# KiCad board AMC_FMC_Carrier-PcbDoc.kicad_pcb (continued)
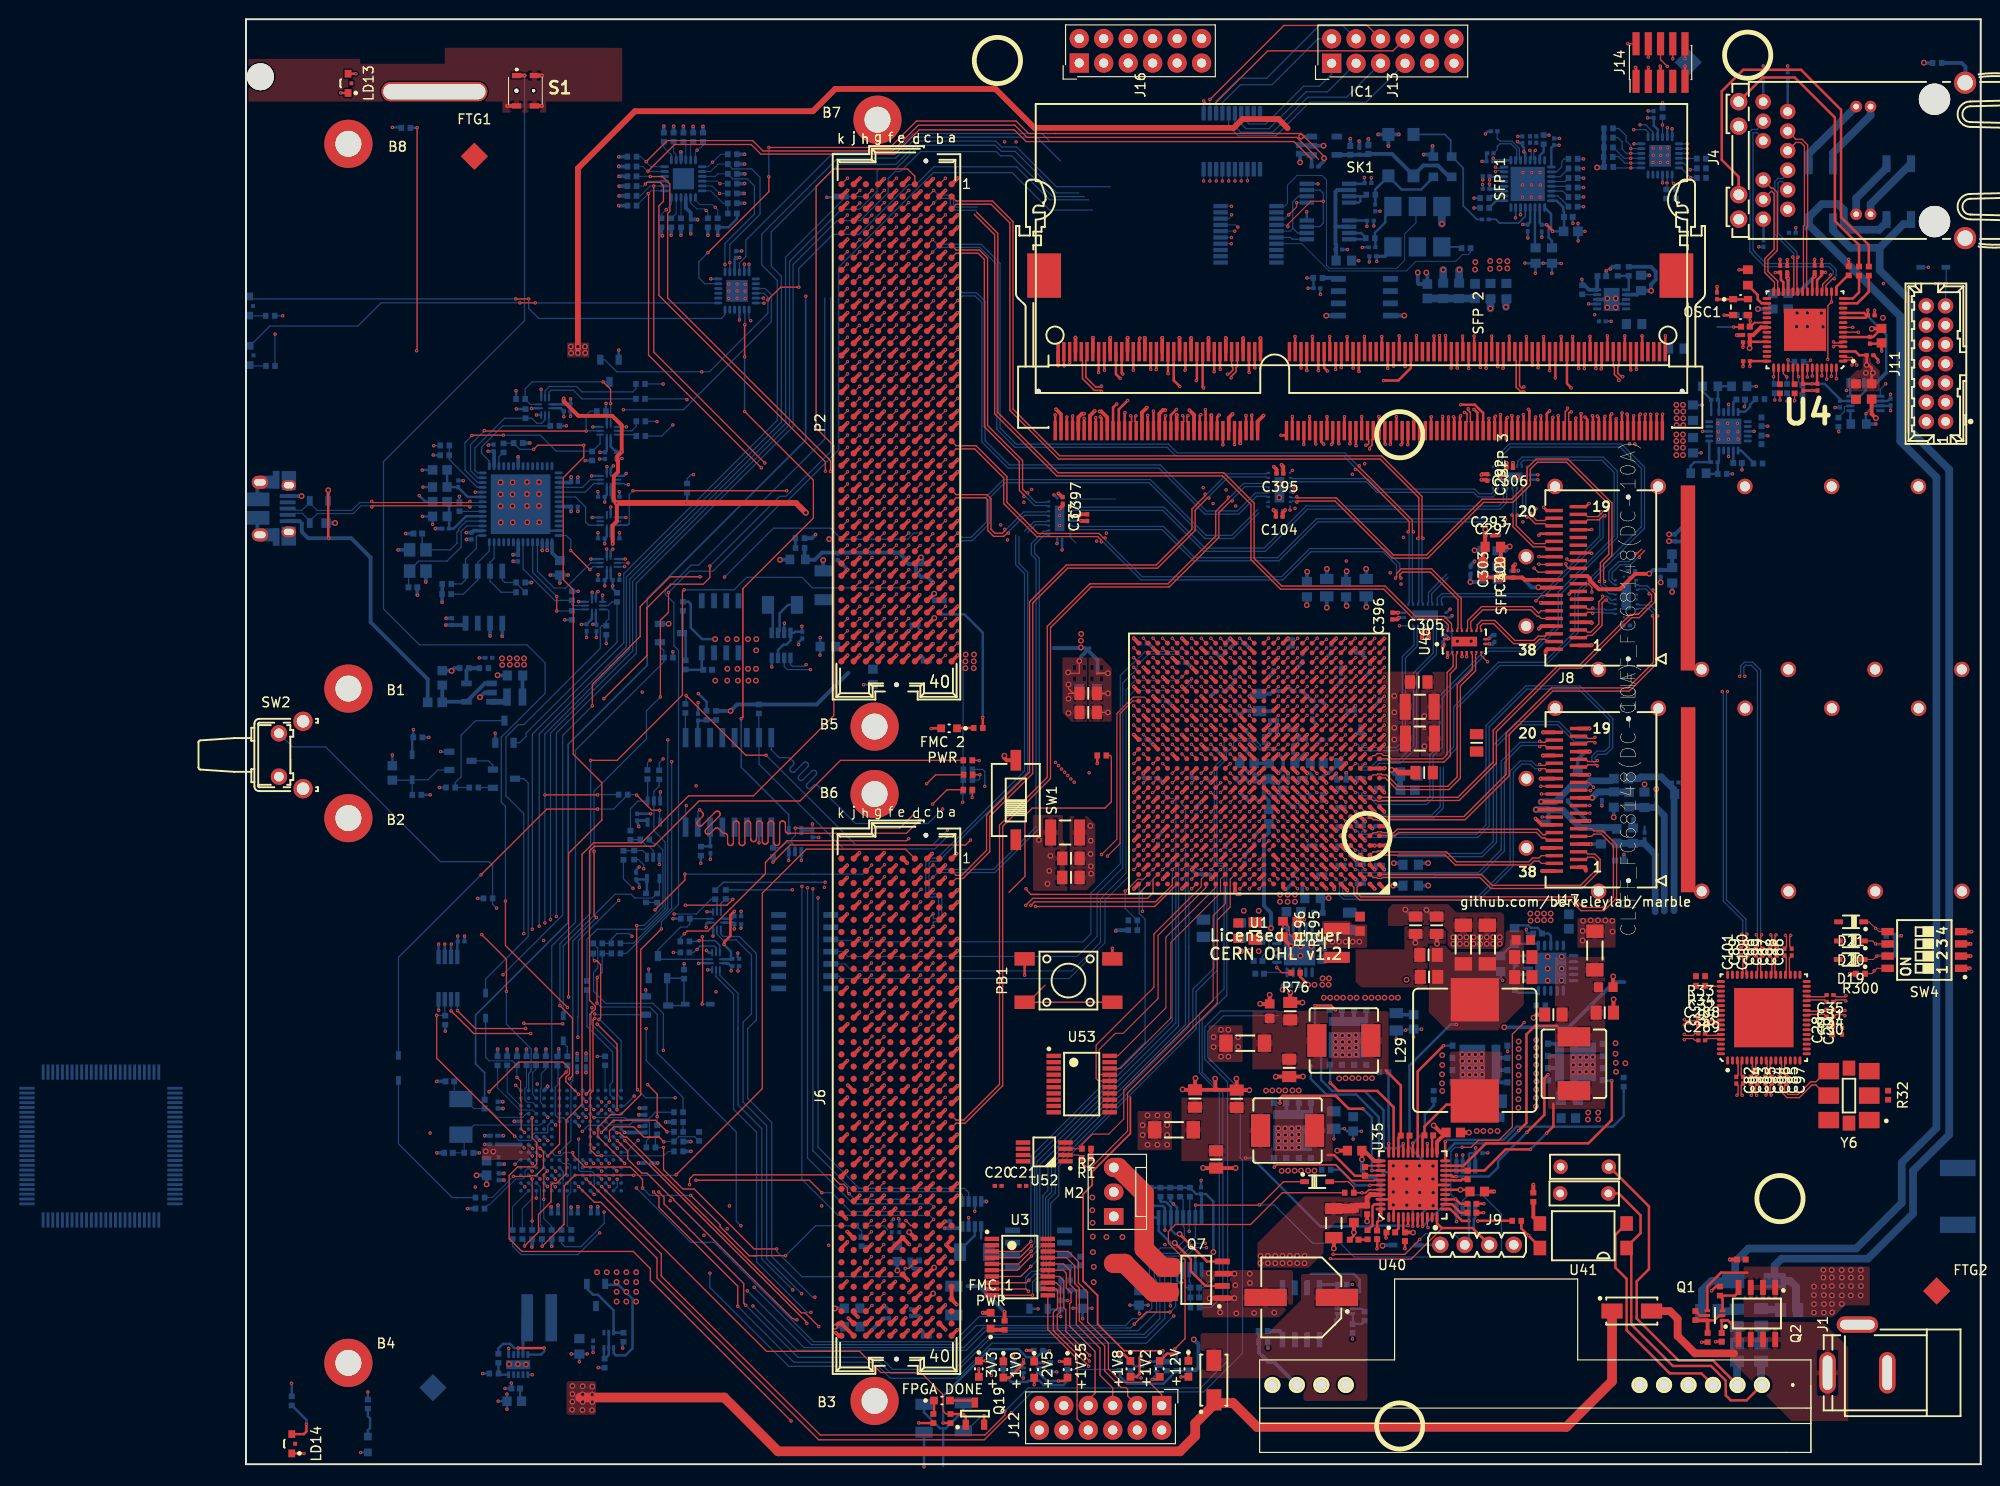
[diagram p0: board, top side]
## Routing (per net, layer and track width the routed paths; a pad name or vN(x,y) marks a point on that pad's centre or on a via; arc(x,y) is an arc through that point) (continued)
/USB/USB_D_N: length 21.9
  Top w0.112: v1(13.05,99.38) 13.17,99.49 23.12,99.49 v1(23.24,99.38)
  Bottom w0.112: J10.2 4.95,98.55 5.11,98.71 5.82,98.71 6.62,97.92 D13.2 6.62,97.9 7.4,98.68 11.11,98.68 11.93,99.49 12.93,99.49 v1(13.05,99.38) ; v1(23.24,99.38) 23.36,99.49 24.46,99.49 U23.7
/USB/USB_D_P: length 22.6
  Top w0.112: v1(23.24,99.95) 23.12,99.83 13.17,99.83 v1(13.05,99.95)
  Bottom w0.112: J10.3 4.95,99.2 5.11,99.04 5.83,99.04 6.62,99.83 D13.3 6.62,99.77 7.38,99.01 10.98,99.01 11.79,99.83 12.93,99.83 v1(13.05,99.95) ; U23.8 24.46,99.83 23.36,99.83 v1(23.24,99.95)
  Bottom w0.127: v1(19.48,105.73) 20.13,105.73 R112.1
/USB_TCK: length 2
  Bottom w0.127: R230.1 40.35,106.88 U26.5
/USB_TDI_DO: length 2.7
  Bottom w0.127: R231.1 40.5,107.74 40.04,107.28 U26.4
/USB_TDO_DI: length 11.2
  Bottom w0.127: R233.1 40.46,111.64 40.14,111.32 34.86,111.32 34.3,111.88 31.47,111.88 31.04,111.45 U33.4
/USB_TMS: length 10
  Bottom w0.127: U33.5 31.44,111.27 31.65,111.48 33.98,111.48 34.87,110.59 R232.1
/WhiteRabbit/WR_DAC_OUT1: length 10
  Bottom w0.254: C109.1 117.19,130.8 R93.1 117.19,132.36 117.61,132.79 117.63,132.79 ; 118.23,133.44 Y2.1 ; Y2.1 118.54,133.7 117.63,132.79 ; Y2.1 118.54,133.7 119.91,132.33 121.93,132.33 123.06,133.45 123.11,133.45 ; 117.4,132.56 117.63,132.79
/WhiteRabbit/WR_DAC_OUT2: length 5.9
  Bottom w0.254: C108.1 117.19,127.21 R92.1 117.13,127.84 118.21,128.92 118.21,129.51 119,130.3 Y3.1 118.37,129.94
DDR_REF_CLK_N: length 1
  Bottom w0.127: U20.31 130.42,134.28 129.76,134.28 v1(129.64,134.17)
DDR_REF_CLK_P: length 1
  Bottom w0.127: v1(129.64,134.65) 129.76,134.54 130.42,134.54 U20.32
FMC1_DP0_C2M_N: length 45.6
  Top w0.13: J6.C3 v1(71.29,60.95)
  Bottom w0.13: U44.12 83.15,96.44 83.07,96.52 82.89,96.52 81.82,95.45 81.82,94.55 82.31,94.06 82.31,66.01 77.71,61.42 71.76,61.42 v1(71.29,60.95)
FMC1_DP0_C2M_P: length 45.6
  Top w0.13: J6.C2 v1(71.29,62.22)
  Bottom w0.13: v1(71.29,62.22) 71.76,61.75 77.58,61.75 81.98,66.15 81.98,93.93 81.49,94.41 81.49,95.59 82.76,96.85 83.07,96.85 83.15,96.94 U44.13
FMC1_DP0_M2C_N: length 50.6
  Top w0.112: J6.C7 70.72,55.25
  Top w0.13: 70.72,55.25 v1(71.3,55.83)
  Bottom w0.13: 81.11,96.72 81.91,97.52 83.07,97.52 83.15,97.44 U44.14 ; 80.2,96.3 80.2,93.51 81.11,92.59 81.11,71.83 71.87,62.59 71.08,62.59 70.88,62.38 70.88,59.44 71.11,59.21 71.87,59.21 72.2,58.89 72.2,56.72 71.8,56.32 71.38,56.32 71.3,56.23 v1(71.3,55.83)
FMC1_DP0_M2C_P: length 50.6
  Top w0.112: J6.C6 70.69,56.52
  Top w0.13: 70.69,56.52 v1(71.3,57.13)
  Bottom w0.13: U44.15 83.15,97.94 83.07,97.85 81.78,97.85 80.78,96.86 ; v1(71.3,57.13) 71.3,56.73 71.38,56.65 71.66,56.65 71.87,56.85 71.87,58.75 71.73,58.88 70.97,58.88 70.55,59.31 70.55,62.52 70.95,62.92 71.73,62.92 80.78,71.97 80.78,92.45 79.87,93.37 79.87,96.43
FMC1_DP1_C2M_N: length 87.1
  Top w0.13: v1(102.33,100) 102.17,100 100.95,98.78 100.95,96.21 95.8,91.06 87.7,91.06 83.47,86.84 83.47,71.17 78.51,66.21 78.51,39.3 74.61,35.4 73.68,35.4 J6.A23
  Bottom w0.13: U45.16 105.96,101.4 105.87,101.48 103.66,101.48 102.33,100.15 v1(102.33,100)
FMC1_DP1_C2M_P: length 87.1
  Top w0.13: J6.A22 73.68,35.73 74.47,35.73 78.19,39.44 78.19,66.35 83.14,71.31 83.14,86.98 87.56,91.39 95.66,91.39 100.62,96.35 100.62,98.92 101.94,100.23 v1(101.94,100.39)
  Bottom w0.13: v1(101.94,100.39) 102.09,100.39 103.52,101.81 105.87,101.81 105.96,101.9 U45.17
FMC1_DP1_M2C_N: length 64.2
  Top w0.13: J6.A3 73.68,60.8 74.39,60.8 77.17,63.58 77.17,67.25 81.63,71.71 81.63,89.4 85.26,93.02 94.58,93.02 98.49,96.92 98.49,99.03 99.76,100.3 v1(99.91,100.3)
  Bottom w0.13: v1(99.91,100.3) 99.91,100.46 101.94,102.48 105.87,102.48 105.96,102.4 U45.18
FMC1_DP1_M2C_P: length 64.2
  Top w0.13: J6.A2 73.68,61.13 74.25,61.13 76.84,63.72 76.84,67.39 81.31,71.85 81.31,89.53 85.12,93.35 94.44,93.35 98.16,97.06 98.16,99.17 99.52,100.54 v1(99.52,100.69)
  Bottom w0.13: U45.19 105.96,102.9 105.87,102.81 101.8,102.81 99.68,100.69 v1(99.52,100.69)
FMC1_LA_0_N: length 48.3
  Top w0.102: 100.6,67.22 v1(100.1,66.72)
  Top w0.112: v1(66.2,55.83) 65.62,55.25 J6.G7
  In9.Cu w0.1: v1(100.1,66.72) 100.39,66.72 100.46,66.65 100.46,66.44 100.41,66.39 99.83,66.39 99.48,66.03 99.48,58.78 97.36,56.66 74.76,56.66 73.55,57.86 65.76,57.86 65.48,57.58 65.48,56.62 65.77,56.34 66.11,56.34 66.2,56.24 v1(66.2,55.83)
FMC1_LA_0_P: length 47.8
  Top w0.102: U1.H17 v1(101.12,66.73)
  Top w0.112: v1(66.2,57.13) 65.59,56.52 J6.G6
  In9.Cu w0.1: v1(66.2,57.13) 66.2,56.71 66.11,56.63 65.89,56.63 65.77,56.74 65.77,57.46 65.88,57.57 73.43,57.57 74.64,56.37 97.48,56.37 99.77,58.66 99.77,65.91 99.95,66.1 100.53,66.1 100.75,66.32 100.75,66.63 100.85,66.73 v1(101.12,66.73)
FMC1_LA_1_N: length 45.2
  Top w0.102: v1(100.12,64.73) 100.12,64.73 U1.F18
  Top w0.112: v1(70.05,53.33) 69.43,52.71 J6.D9
  In9.Cu w0.1: v1(70.05,53.33) 70.05,53.72 69.96,53.81 69.68,53.81 69.24,54.25 69.24,54.96 69.6,55.32 76.3,55.32 76.77,54.85 96.85,54.85 101.48,59.48 101.48,64.87 101.26,65.09 100.48,65.09 v1(100.12,64.73)
FMC1_LA_1_P: length 44.7
  Top w0.102: U1.G17 v1(101.12,65.73)
  Top w0.112: v1(70.05,54.58) 69.45,53.98 J6.D8
  In9.Cu w0.1: v1(70.05,54.58) 70.05,54.2 69.95,54.1 69.8,54.1 69.53,54.37 69.53,54.84 69.72,55.03 76.18,55.03 76.65,54.56 96.97,54.56 101.77,59.36 101.77,64.99 101.38,65.38 100.94,65.38 100.9,65.42 100.9,65.51 v1(101.12,65.73)
FMC1_LA_2_N: length 45.7
  Top w0.102: U1.J20 v1(98.12,67.73)
  Top w0.112: v1(64.9,54.58) 64.32,54 J6.H8
  In4.Cu w0.1: v1(98.12,67.73) 97.76,68.09 96.95,68.09 96.77,67.9 96.77,67.56 96.77,67.56 96.77,66.9 96.77,66.9 96.77,59.68 91.65,54.57 82.57,54.57 82.08,55.06 65.38,55.06 v1(64.9,54.58)
FMC1_LA_2_P: length 45.7
  Top w0.102: U1.K20 v1(98.12,68.73)
  Top w0.112: v1(64.9,55.83) 64.32,55.25 J6.H7
  In4.Cu w0.1: v1(98.12,68.73) 97.76,68.38 96.83,68.38 96.48,68.02 96.48,67.02 96.48,59.8 91.53,54.86 82.69,54.86 82.2,55.35 65.38,55.35 v1(64.9,55.83)
FMC1_LA_3_N: length 54
  Top w0.11: U1.L18 101.13,70.74 v1(101.13,70.74)
  Top w0.112: v1(66.2,52.03) 65.61,51.44 J6.G10
  In7.Cu w0.1: v1(66.2,52.03) 66.2,52.43 66.1,52.54 65.71,52.54 65.38,52.86 65.38,53.64 65.86,54.11 75.81,54.11 76.27,54.57 97.19,54.57 101.48,58.87 101.48,59.44 101.48,59.44 101.48,68.02 101.48,68.02 101.48,68.44 101.48,68.44 101.48,70.02 101.48,70.02 101.48,70.39 v1(101.13,70.74)
FMC1_LA_3_P: length 53.5
  Top w0.11: U1.M17 102.11,70.74 v1(102.11,70.73)
  Top w0.112: J6.G9 65.59,52.72 v1(66.2,53.33)
  In7.Cu w0.1: v1(102.11,70.73) 101.77,70.39 101.77,69.9 101.77,69.9 101.77,68.56 101.77,68.56 101.77,67.9 101.77,67.9 101.77,59.56 101.77,59.56 101.77,58.75 97.31,54.28 76.39,54.28 75.93,53.82 65.98,53.82 65.67,53.52 65.67,52.98 65.83,52.83 66.1,52.83 66.2,52.92 v1(66.2,53.33)
FMC1_LA_4_N: length 45.7
  Top w0.11: U1.G20 v1(98.12,65.73)
  Top w0.112: J6.H11 64.32,50.2 v1(64.9,50.78)
  In4.Cu w0.1: v1(98.12,65.73) 98.34,65.95 98.34,66.03 98.3,66.07 98.04,66.07 97.77,65.81 97.77,59.07 91.14,52.44 68.67,52.44 67.49,51.26 65.38,51.26 v1(64.9,50.78)
FMC1_LA_4_P: length 46.2
  Top w0.11: U1.H19 v1(99.12,66.73)
  Top w0.112: v1(64.9,52.03) 64.32,51.45 J6.H10
  In4.Cu w0.1: v1(99.12,66.73) 98.75,66.36 97.92,66.36 97.48,65.93 97.48,59.19 91.02,52.73 68.55,52.73 67.37,51.55 65.38,51.55 v1(64.9,52.03)
FMC1_LA_5_N: length 41.9
  Top w0.11: v1(98.12,63.73) 98.12,63.73 U1.E20
  Top w0.112: v1(70,49.48) 69.42,48.9 J6.D12
  In4.Cu w0.1: v1(98.12,63.73) 98.34,63.95 98.41,63.95 98.48,63.88 98.48,58.85 91.17,51.54 69.4,51.54 69.14,51.28 69.14,50.24 69.4,49.99 69.84,49.99 70,49.82 v1(70,49.48)
FMC1_LA_5_P: length 42
  Top w0.11: U1.F19 v1(99.12,64.73)
  Top w0.112: J6.D11 69.4,50.18 v1(70,50.78)
  In4.Cu w0.1: v1(99.12,64.73) 98.77,64.38 98.77,58.73 91.29,51.25 69.52,51.25 69.43,51.16 69.43,50.36 69.52,50.28 69.85,50.28 70,50.43 v1(70,50.78)
FMC1_LA_6_N: length 44.4
  Top w0.11: U1.L20 v1(98.12,69.73)
  Top w0.112: v1(71.3,50.78) 70.69,50.17 J6.C11
  In2.Cu w0.1: v1(98.12,69.73) 98.47,69.38 98.47,65.55 98.31,65.38 96.81,65.38 96.47,65.04 96.47,59.9 92.82,56.25 78.39,56.25 75.07,52.93 71.08,52.93 70.53,52.38 70.53,51.64 70.91,51.26 71.22,51.26 71.3,51.18 v1(71.3,50.78)
FMC1_LA_6_P: length 43.9
  Top w0.11: U1.L19 v1(99.12,69.73)
  Top w0.112: J6.C10 70.71,51.44 v1(71.3,52.03)
  In2.Cu w0.1: v1(99.12,69.73) 98.76,69.38 98.76,65.43 98.43,65.09 96.93,65.09 96.76,64.92 96.76,59.78 92.95,55.96 78.51,55.96 75.19,52.64 71.2,52.64 70.82,52.26 70.82,51.76 71.03,51.55 71.21,51.55 71.3,51.64 v1(71.3,52.03)
FMC1_LA_7_N: length 46.2
  Top w0.11: v1(98.12,62.73) 98.12,62.73 U1.D20
  Top w0.112: v1(64.95,46.98) 64.33,46.36 J6.H14
  In2.Cu w0.1: v1(64.95,46.98) 64.95,47.23 64.72,47.46 64.56,47.46 64.37,47.27 64.37,46.85 64.65,46.57 66.78,46.57 69.21,49 75.33,49 79.22,52.89 92.32,52.89 98.47,59.04 98.47,62.38 v1(98.12,62.73)
FMC1_LA_7_P: length 47.7
  Top w0.11: U1.D19 v1(99.12,62.73)
  Top w0.112: J6.H13 64.35,47.63 v1(64.95,48.23)
  In2.Cu w0.1: v1(64.95,48.23) 64.95,47.88 64.82,47.75 64.44,47.75 64.08,47.39 64.08,46.73 64.53,46.28 66.9,46.28 69.33,48.71 75.45,48.71 79.34,52.6 92.44,52.6 98.76,58.92 98.76,62.38 v1(99.12,62.73)
FMC1_LA_8_N: length 45.1
  Top w0.11: U1.F20 98.12,64.73 v1(98.12,64.73)
  Top w0.112: v1(66.2,48.23) 65.6,47.63 J6.G13
  In2.Cu w0.1: v1(66.2,48.23) 65.48,48.95 65.48,49.9 65.89,50.32 74.36,50.32 78.81,54.77 92.88,54.77 97.47,59.36 97.47,64.08 v1(98.12,64.73)
FMC1_LA_8_P: length 46.2
  Top w0.11: U1.G19 v1(99.12,65.73)
  Top w0.112: v1(66.2,49.53) 65.59,48.92 J6.G12 65.59,48.92
  In2.Cu w0.1: v1(99.12,65.73) 99.12,65.32 98.47,64.67 98.47,64.56 98.29,64.38 98.18,64.38 97.76,63.96 97.76,59.24 93,54.48 78.93,54.48 74.48,50.03 66.01,50.03 65.77,49.78 65.77,49.25 65.99,49.03 66.12,49.03 66.2,49.11 v1(66.2,49.53)
FMC1_LA_9_N: length 45.9
  Top w0.11: U1.J19 v1(99.12,67.73)
  Top w0.112: v1(70,45.68) 69.41,45.09 J6.D15
  In2.Cu w0.1: 69.25,47.42 69.62,47.79 76.05,47.79 80.14,51.87 93.17,51.87 99.47,58.18 99.47,67.38 v1(99.12,67.73)
FMC1_LA_9_P: length 46.2
  Top w0.11: U1.J18 v1(100.12,67.73)
  Top w0.112: v1(70.05,46.98) 69.43,46.36 J6.D14
  In2.Cu w0.1: 69.46,47.21 69.74,47.5 76.17,47.5 80.26,51.58 93.29,51.58 99.76,58.06 99.76,67.38 v1(100.12,67.73)
FMC1_LA_10_N: length 44.9
  Top w0.11: U1.G16 v1(102.12,65.73)
  Top w0.112: v1(71.3,45.68) 70.71,45.09 J6.C15
  In4.Cu w0.1: v1(102.12,65.73) 101.76,66.09 100.96,66.09 100.76,65.89 100.76,59.19 87.76,46.19 71.81,46.19 v1(71.3,45.68)
FMC1_LA_10_P: length 44.9
  Top w0.11: U1.H16 v1(102.12,66.73)
  Top w0.112: J6.C14 70.68,46.36 v1(71.3,46.98)
  In4.Cu w0.1: v1(71.3,46.98) 71.81,46.48 87.64,46.48 100.47,59.31 100.47,66 100.52,66.05 100.84,66.38 101.76,66.38 v1(102.12,66.73)
FMC1_LA_11_N: length 55.5
  Top w0.11: v1(100.11,69.73) 100.12,69.73 U1.K18
  Top w0.112: J6.H17 64.32,42.55 v1(64.95,43.18)
  In2.Cu w0.1: v1(100.11,69.73) 100.47,69.37 100.47,57.78 92.6,49.91 80.17,49.91 75.47,45.21 64.4,45.21 64.07,44.87
FMC1_LA_11_P: length 55.6
  Top w0.11: U1.L17 v1(101.12,69.73)
  Top w0.112: v1(64.95,44.43) 64.34,43.82 J6.H16
  In2.Cu w0.1: 64.36,44.75 64.52,44.92 75.59,44.92 80.29,49.62 92.72,49.62 100.76,57.66 100.76,67.72 100.76,67.73 100.76,69.37 v1(101.12,69.73)
FMC1_LA_12_N: length 50.9
  Top w0.11: U1.F15 v1(103.12,64.73)
  Top w0.112: v1(66.2,44.38) 65.64,43.82 J6.G16
  In4.Cu w0.1: v1(66.2,44.38) 66.7,44.89 88.08,44.89 98.72,55.52 98.72,55.97 101.76,59.01 101.76,64.9 101.95,65.09 102.76,65.09 v1(103.12,64.73)
FMC1_LA_12_P: length 50.9
  Top w0.11: U1.G15 v1(103.12,65.73)
  Top w0.112: v1(66.2,45.68) 65.61,45.09 J6.G15
  In4.Cu w0.1: v1(103.12,65.73) 102.76,65.38 101.83,65.38 101.47,65.02 101.47,59.13 98.43,56.09 98.43,55.64 87.96,45.18 66.7,45.18 v1(66.2,45.68)
FMC1_LA_13_N: length 49.3
  Top w0.11: U1.D16 v1(102.12,62.73)
  Top w0.112: J6.D18 69.4,41.28 v1(70,41.88)
  In2.Cu w0.1: v1(70,41.88) 70,42.24 69.88,42.36 69.62,42.36 69.44,42.19 69.44,41.5 69.58,41.37 75.93,41.37 81.69,47.13 93.55,47.13 102.09,55.67 102.09,58.81 102.47,59.2 102.47,62.38 v1(102.12,62.73)
FMC1_LA_13_P: length 50.9
  Top w0.11: U1.D15 v1(103.12,62.73)
  Top w0.112: J6.D17 69.42,42.55 v1(70.05,43.18)
  In2.Cu w0.1: v1(70.05,43.18) 70.05,42.79 69.91,42.65 69.5,42.65 69.15,42.31 69.15,41.38 69.46,41.08 76.05,41.08 81.81,46.84 93.67,46.84 102.38,55.55 102.38,58.69 102.76,59.08 102.76,62.38 v1(103.12,62.73)
FMC1_LA_14_N: length 48.4
  Top w0.11: U1.E16 v1(102.12,63.73)
  Top w0.112: J6.C19 70.68,40.01 v1(71.3,40.63)
  In4.Cu w0.1: v1(102.12,63.73) 102.47,63.38 102.47,58.98 101.98,58.49 101.98,57.18 87.51,42.71 70.89,42.71 70.48,42.3 70.48,41.44 70.81,41.11 71.2,41.11 71.3,41.01 v1(71.3,40.63)
FMC1_LA_14_P: length 47.7
  Top w0.11: U1.E15 v1(103.12,63.73)
  Top w0.112: v1(71.25,41.83) 70.7,41.28 J6.C18
  In4.Cu w0.1: v1(71.25,41.83) 71.25,41.47 71.18,41.4 70.93,41.4 70.77,41.56 70.77,42.18 71.01,42.42 87.63,42.42 102.27,57.06 102.27,58.37 102.76,58.86 102.76,63.38 v1(103.12,63.73)
FMC1_LA_15_N: length 59.9
  Top w0.11: v1(102.12,67.73) 102.12,67.73 U1.J16
  Top w0.112: v1(64.95,39.38) 64.32,38.75 J6.H20
  In7.Cu w0.1: v1(102.12,67.73) 102.47,67.38 102.47,58.01 85.89,41.43 64.07,41.43 63.51,40.87 63.51,40.31 63.97,39.86 64.47,39.86 v1(64.95,39.38)
FMC1_LA_15_P: length 59.4
  Top w0.11: U1.J15 v1(103.12,67.73)
  Top w0.112: v1(64.95,40.63) 64.33,40.01 J6.H19
  In7.Cu w0.1: v1(64.95,40.63) 64.47,40.15 64.09,40.15 63.8,40.43 63.8,40.75 64.19,41.14 86.01,41.14 102.76,57.89 102.76,67.37 v1(103.12,67.73)
FMC1_LA_16_N: length 57.9
  Top w0.11: U1.K17 v1(101.12,68.73)
  Top w0.112: v1(66.2,40.63) 65.59,40.02 J6.G19
  In2.Cu w0.1: v1(101.12,68.73) 101.47,68.38 101.47,59.36 101.18,59.06 101.18,56.64 93.16,48.61 81.26,48.61 76.49,43.84 67.58,43.84 66.42,42.68 65.89,42.68 65.39,42.18 65.39,41.36 65.64,41.11 66.13,41.11 66.2,41.04 v1(66.2,40.63)
FMC1_LA_16_P: length 57.4
  Top w0.11: U1.K16 v1(102.12,68.73)
  Top w0.112: J6.G18 65.6,41.28 v1(66.2,41.88)
  In2.Cu w0.1: v1(102.12,68.73) 101.77,68.38 101.77,67.74 101.76,67.73 101.76,59.24 101.47,58.94 101.47,56.52 93.28,48.32 81.38,48.32 76.61,43.55 67.7,43.55 66.54,42.39 66.01,42.39 65.68,42.06 65.68,41.48 65.76,41.4 66.1,41.4 66.2,41.5 v1(66.2,41.88)
FMC1_LA_17_N: length 54.2
  Top w0.11: v1(109.1,62.74) 108.62,63.22 U1.D10
  Top w0.112: J6.D21 69.44,37.47 v1(70.05,38.08)
  In9.Cu w0.1: v1(70.05,38.08) 70.56,38.59 74.52,38.59 83.9,47.96 96.7,47.96 105.85,57.1 105.85,57.8 105.78,57.87 105.78,62.11 106.74,63.08 108.76,63.08 v1(109.1,62.74)
FMC1_LA_17_P: length 54.2
  Top w0.102: U1.E10 v1(109.12,63.73)
  Top w0.112: v1(70.05,39.38) 69.41,38.74 J6.D20
  In9.Cu w0.1: v1(109.12,63.73) 108.76,63.37 106.62,63.37 105.49,62.23 105.49,57.75 105.56,57.68 105.56,57.22 105.49,57.15 96.58,48.25 83.78,48.25 74.4,38.88 70.56,38.88 v1(70.05,39.38)
FMC1_LA_18_N: length 53.2
  Top w0.102: U1.C11 v1(108.12,61.73)
  Top w0.112: J6.C23 70.7,34.93 v1(71.3,35.53)
  In9.Cu w0.1: v1(71.3,35.53) 71.81,36.04 73.81,36.04 84.64,46.86 97.3,46.86 101.72,51.28 104.35,51.28 105.86,52.79 105.86,56 106.58,56.71 106.58,59.29 107.76,60.48 107.76,61.37 v1(108.12,61.73)
FMC1_LA_18_P: length 52.7
  Top w0.11: U1.C12 106.62,62.22 v1(107.1,61.74)
  Top w0.112: J6.C22 70.67,36.2 v1(71.3,36.83)
  In9.Cu w0.1: v1(71.3,36.83) 71.81,36.33 73.69,36.33 84.52,47.15 97.18,47.15 101.6,51.57 104.23,51.57 105.57,52.91 105.57,56.12 106.29,56.83 106.29,59.41 107.47,60.6 107.47,61.37 v1(107.1,61.74)
FMC1_LA_19_N: length 59.7
  Top w0.102: U1.G14 v1(104.12,65.73)
  Top w0.112: v1(64.95,35.53) 64.35,34.93 J6.H23
  In2.Cu w0.1: v1(104.12,65.73) 104.12,66.01 104.05,66.09 103.98,66.09 103.76,65.87 103.76,58.67 103.04,57.94 103.04,54.91 93.82,45.69 83.19,45.69 75.97,38.47 69.38,38.47 66.95,36.04 65.45,36.04 v1(64.95,35.53)
FMC1_LA_19_P: length 59.7
  Top w0.102: U1.H14 v1(104.12,66.73)
  Top w0.112: J6.H22 64.32,36.2 v1(64.95,36.83)
  In2.Cu w0.1: v1(64.95,36.83) 65.45,36.33 66.83,36.33 69.26,38.76 75.85,38.76 83.07,45.98 93.7,45.98 102.75,55.03 102.75,58.06 103.47,58.79 103.47,65.99 103.86,66.38 104.04,66.38 104.12,66.45 104.12,66.73 v1(104.12,66.73)
FMC1_LA_20_N: length 53
  Top w0.112: v1(66.2,36.83) 65.59,36.22 J6.G22
  Top w0.127: U1.A15 103.62,60.22 v1(103.12,59.72)
  In9.Cu w0.1: v1(103.12,59.72) 103.12,60.03 103.07,60.08 102.81,60.08 102.77,60.03 102.77,59.1 101.93,58.27 101.93,57.82 95.98,51.86 80.73,51.86 73.76,44.89 68.22,44.89 66.96,43.64 66.96,37.67 66.6,37.31 66.26,37.31 66.2,37.25 v1(66.2,36.83)
FMC1_LA_20_P: length 53
  Top w0.112: v1(66.2,38.08) 65.59,37.47 J6.G21
  Top w0.127: v1(103.12,60.73) 103.61,61.23 U1.B15
  In9.Cu w0.1: v1(103.12,60.73) 103.12,60.43 103.06,60.37 102.69,60.37 102.48,60.15 102.48,59.22 101.64,58.39 101.64,57.94 95.86,52.15 80.61,52.15 73.64,45.18 68.1,45.18 66.67,43.76 66.67,37.79 66.48,37.6 66.25,37.6 66.2,37.65 v1(66.2,38.08)
FMC1_LA_21_N: length 57.8
  Top w0.102: U1.D13 v1(105.12,62.73)
  Top w0.112: J6.H26 64.34,31.12 v1(64.95,31.73)
  In4.Cu w0.1: v1(105.12,62.73) 104.76,62.38 104.76,58.65 104.4,58.29 104.4,56.48 81.39,33.46 68.59,33.46 67.34,32.21 65.43,32.21 v1(64.95,31.73)
FMC1_LA_21_P: length 57.4
  Top w0.102: U1.D14 v1(104.12,62.73)
  Top w0.112: v1(64.95,32.98) 64.36,32.39 J6.H25
  In4.Cu w0.1: v1(104.12,62.73) 104.47,62.38 104.47,58.77 104.11,58.41 104.11,56.6 81.27,33.75 68.47,33.75 67.22,32.5 65.43,32.5 v1(64.95,32.98)
FMC1_LA_22_N: length 57.7
  Top w0.102: U1.A14 v1(104.12,59.73)
  Top w0.112: v1(66.2,33.03) 65.59,32.42 J6.G25
  In9.Cu w0.1: v1(104.12,59.73) 104.12,60.03 104.06,60.09 103.87,60.09 103.76,59.98 103.76,58.54 102.93,57.7 102.93,57.26 96.31,50.65 82.58,50.65 75.62,43.69 68.5,43.69 68.13,43.32 68.13,33.84 67.8,33.51 66.68,33.51 v1(66.2,33.03)
FMC1_LA_22_P: length 57.7
  Top w0.102: U1.B14 v1(104.12,60.73)
  Top w0.112: J6.G24 65.59,33.67 v1(66.2,34.28)
  In9.Cu w0.1: v1(66.2,34.28) 66.68,33.8 67.68,33.8 67.84,33.96 67.84,43.44 68.37,43.98 75.5,43.98 82.46,50.94 96.19,50.94 102.64,57.38 102.64,57.82 103.47,58.66 103.47,60.1 103.75,60.38 104.07,60.38 104.12,60.43 v1(104.12,60.73)
FMC1_LA_23_N: length 56.1
  Top w0.102: U1.F12 v1(107.12,64.73)
  Top w0.112: J6.D24 69.43,33.66 v1(70.05,34.28)
  In4.Cu w0.1: v1(70.05,34.28) 70.5,34.74 81.37,34.74 103.03,56.39 103.03,57.97 103.76,58.71 103.76,64.91 103.94,65.09 106.76,65.09 v1(107.12,64.73)
FMC1_LA_23_P: length 56.2
  Top w0.102: U1.G12 v1(107.12,65.73)
  Top w0.112: v1(70,35.53) 69.4,34.93 J6.D23
  In4.Cu w0.1: v1(107.12,65.73) 106.76,65.38 103.82,65.38 103.47,65.03 103.47,58.83 102.74,58.09 102.74,56.51 81.25,35.03 70.5,35.03 v1(70,35.53)
FMC1_LA_24_N: length 63.1
  Top w0.102: U1.A8 v1(111.12,59.73)
  Top w0.112: J6.H29 64.33,27.31 v1(64.95,27.93)
  In4.Cu w0.1: v1(111.12,59.73) 110.77,59.38 110.77,56.33 109.58,55.15 108.82,55.15 107.03,53.35 107.03,52.67 105.38,51.02 103.43,51.02 80.84,28.44 65.45,28.44 v1(64.95,27.93)
FMC1_LA_24_P: length 62.7
  Top w0.102: U1.A9 110.12,59.73 v1(110.12,59.73)
  Top w0.112: J6.H28 64.32,28.6 v1(64.95,29.23)
  In4.Cu w0.1: v1(110.12,59.73) 110.48,59.38 110.48,56.45 109.46,55.44 108.7,55.44 106.74,53.47 106.74,52.79 105.26,51.31 103.3,51.31 80.72,28.73 65.45,28.73 v1(64.95,29.23)
FMC1_LA_25_N: length 66.5
  Top w0.11: U1.G9 109.62,66.22 v1(110.12,65.72)
  Top w0.112: v1(66.2,29.23) 65.59,28.62 J6.G28
  In4.Cu w0.1: v1(110.12,65.72) 109.77,65.37 109.77,57.47 109.01,56.71 107.76,56.71 107.21,56.16 107.21,55.15 106.01,53.95 106.01,52.84 105,51.84 102.67,51.84 80.52,29.69 66.66,29.69 v1(66.2,29.23)
FMC1_LA_25_P: length 66
  Top w0.102: U1.G10 v1(109.12,65.73)
  Top w0.112: v1(66.2,30.43) 65.62,29.85 J6.G27
  In4.Cu w0.1: v1(66.2,30.43) 66.66,29.98 80.4,29.98 102.55,52.13 104.88,52.13 105.72,52.96 105.72,54.07 106.92,55.27 106.92,56.28 107.64,57 108.89,57 109.48,57.59 109.48,65.37 v1(109.12,65.73)
  In9.Cu w0.127: 109.12,65.73 v1(109.12,65.73)
FMC1_LA_26_N: length 56.8
  Top w0.11: U1.E12 v1(106.15,63.76)
  Top w0.112: v1(70.05,30.48) 69.42,29.85 J6.D27
  In4.Cu w0.1: v1(70.05,30.48) 70.56,30.99 80.26,30.99 106.13,56.85 106.13,57.99 105.79,58.33 105.79,63.33 105.49,63.63 105.49,63.92 105.67,64.1 105.82,64.1 v1(106.15,63.76)
FMC1_LA_26_P: length 56.9
  Top w0.11: U1.E13 105.65,64.23 v1(106.14,64.72)
  Top w0.112: v1(70.05,31.78) 69.4,31.13 J6.D26
  In4.Cu w0.1: v1(106.14,64.72) 105.82,64.39 105.55,64.39 105.2,64.04 105.2,63.51 105.5,63.21 105.5,58.21 105.84,57.87 105.84,56.97 80.14,31.28 70.56,31.28 v1(70.05,31.78)
FMC1_LA_27_N: length 54.3
  Top w0.102: U1.F13 v1(105.12,64.73)
  Top w0.112: v1(71.3,30.48) 70.67,29.85 J6.C27
  In7.Cu w0.1: v1(71.3,30.48) 71.78,30.96 79.44,30.96 104.38,55.9 104.38,57.76 104.76,58.15 104.76,64.38 v1(105.12,64.73)
FMC1_LA_27_P: length 53.9
  Top w0.102: U1.F14 v1(104.12,64.73)
  Top w0.112: J6.C26 70.69,31.12 v1(71.3,31.73)
  In2.Cu w0.079: v1(71.3,31.73) 71.29,31.73
  In7.Cu w0.1: v1(71.3,31.73) 71.78,31.25 79.32,31.25 104.09,56.02 104.09,57.88 104.47,58.27 104.47,64.38 v1(104.12,64.73)
  Bottom w0.127: v1(104.12,64.73) 104.12,64.71
FMC1_LA_28_N: length 71.3
  Top w0.102: U1.H13 v1(105.12,66.73)
  Top w0.112: v1(64.9,24.13) 64.32,23.55 J6.H32
  In2.Cu w0.1: v1(64.9,24.13) 65.33,24.56 69.34,24.56 70.57,25.79 74,25.79 75.32,27.11 75.32,34.64 85.38,44.7 94.49,44.7 102.64,52.84 102.64,53.42 104.36,55.14 104.36,58.06 104.76,58.46 104.76,66.88 104.98,67.09 105.05,67.09 105.12,67.02 105.12,66.74
FMC1_LA_28_P: length 71.2
  Top w0.102: U1.J13 v1(105.12,67.73)
  Top w0.112: v1(64.9,25.28) 64.39,24.77 J6.H31
  In2.Cu w0.1: 105.12,67.73 105.12,67.46 105.04,67.38 104.86,67.38 104.47,67 104.47,58.58 104.07,58.18 104.07,55.26 102.35,53.54 102.35,52.96 94.37,44.99 85.26,44.99 75.03,34.76 75.03,27.23 73.88,26.08 70.45,26.08 69.22,24.85 65.33,24.85 v1(64.9,25.28)
FMC1_LA_29_N: length 71.5
  Top w0.102: U1.F8 v1(111.12,64.73)
  Top w0.112: J6.G31 65.69,24.77 v1(66.25,25.33)
  In4.Cu w0.1: v1(111.12,64.73) 110.76,64.38 110.76,60.58 110.97,60.37 111.46,60.37 111.77,60.07 111.77,59.9 111.77,59.9 111.77,59.56 111.77,59.56 111.77,52.49 110.83,51.55 108.19,51.55 106.71,50.07 104.21,50.07 80.75,26.61 75.15,26.61 74.38,25.84 66.75,25.84 v1(66.25,25.33)
FMC1_LA_29_P: length 71
  Top w0.102: U1.F9 110.12,64.73 v1(110.12,64.73)
  Top w0.112: J6.G30 65.66,26.04 v1(66.25,26.63)
  In4.Cu w0.1: v1(110.12,64.73) 110.47,64.38 110.47,60.46 110.85,60.08 111.34,60.08 111.48,59.95 111.48,59.44 111.48,59.44 111.48,52.61 110.71,51.84 108.07,51.84 106.59,50.36 104.09,50.36 80.63,26.9 75.03,26.9 74.26,26.13 66.75,26.13 v1(66.25,26.63)
FMC1_LA_30_N: length 72.9
  Top w0.112: v1(64.95,20.28) 64.36,19.69 J6.H35
  Top w0.127: v1(108.13,60.77) 107.67,61.23 U1.B11
  In2.Cu w0.1: v1(64.95,20.28) 65.42,20.75 68.76,20.75 69.18,20.33 69.18,19.91 69.53,19.56 73.81,19.56 77.89,23.64 77.89,33.05 87.45,42.6 95.73,42.6 104.29,51.17 105.79,51.17 107.2,52.58 107.2,56.49 106.77,56.93 106.77,59.31 107.06,59.61 107.19,59.61 107.75,60.16 107.75,60.38 v1(108.13,60.77)
FMC1_LA_30_P: length 72.5
  Top w0.112: v1(64.9,21.56) 64.9,21.54 J6.H34
  Top w0.127: U1.B12 107.08,60.77 v1(107.08,60.76)
  In2.Cu w0.1: v1(107.08,60.76) 107.46,60.38 107.46,60.28 107.07,59.9 106.94,59.9 106.48,59.43 106.48,56.81 106.91,56.37 106.91,52.7 105.67,51.46 104.17,51.46 95.61,42.89 87.33,42.89 77.6,33.17 77.6,23.76 73.69,19.85 69.65,19.85 69.47,20.03 69.47,20.45 68.88,21.04 65.42,21.04 v1(64.9,21.56)
FMC1_LA_31_N: length 67.7
  Top w0.112: J6.G34 66.15,21.52 v1(66.15,21.56)
  Top w0.127: v1(106.19,60.67) 106.62,60.24 U1.A12
  In2.Cu w0.1: v1(66.15,21.56) 66.64,22.05 73.82,22.05 76.36,24.59 76.36,33.22 86.8,43.66 95.22,43.66 103.58,52.03 105.32,52.03 105.9,52.6 105.9,54.18 105.51,54.57 105.51,55.75 106,56.24 106,60.12 105.86,60.27 105.86,60.34 v1(106.19,60.67)
FMC1_LA_31_P: length 67.2
  Top w0.112: 65.61,22.22 66.17,22.78
  Top w0.127: v1(105.12,59.73) 105.62,60.23 U1.A13
  In2.Cu w0.1: v1(105.12,59.73) 105.49,60.11 105.61,60.11 105.71,60 105.71,56.36 105.22,55.87 105.22,54.45 105.61,54.06 105.61,52.73 105.2,52.32 103.46,52.32 95.1,43.95 86.68,43.95 76.07,33.34 76.07,24.71 73.7,22.34 66.64,22.34 v1(66.17,22.81)
FMC1_LA_32_N: length 75.7
  Top w0.102: U1.C13 v1(105.12,61.73)
  Top w0.112: J6.H38 64.35,15.88 v1(64.95,16.48)
  In9.Cu w0.1: v1(64.95,16.48) 65.43,16.96 68.84,16.96 69.06,17.18 69.09,17.18 69.45,17.53 69.45,17.57 69.48,17.6 69.48,23.64 69.57,23.73 69.57,24.43 69.48,24.53 69.48,39.5 69.88,39.9 73.65,39.9 83.22,49.48 96.68,49.48 104.43,57.23 104.43,58.14 104.76,58.47 104.76,61.38 v1(105.12,61.73)
FMC1_LA_32_P: length 75.2
  Top w0.102: U1.C14 v1(104.12,61.73)
  Top w0.112: J6.H37 64.37,17.15 v1(64.95,17.73)
  In9.Cu w0.1: v1(104.12,61.73) 104.47,61.38 104.47,58.59 104.14,58.26 104.14,57.35 96.56,49.77 83.1,49.77 73.53,40.19 69.76,40.19 69.19,39.62 69.19,24.41 69.28,24.31 69.28,23.85 69.19,23.76 69.19,17.72 69.16,17.69 69.16,17.65 68.97,17.47 68.94,17.47 68.72,17.25 65.43,17.25 v1(64.95,17.73)
FMC1_LA_33_N: length 68.8
  Top w0.112: v1(66.2,17.73) 65.62,17.15 J6.G37
  Top w0.127: v1(109.1,59.75) 108.62,60.23 U1.A10
  In9.Cu w0.1: 73.07,17.37 74.29,18.59 74.29,35.02 84.91,45.63 97.85,45.63 102.58,50.36 104.64,50.36 106.94,52.65 106.94,54.02 108.16,55.24 108.16,56.49 109.46,57.79 109.46,60.02 109.36,60.12 109.19,60.12 109.1,60.03 v1(109.1,59.75)